# KiCad board BalloonMotherboardV4.1.kicad_pcb (continued)
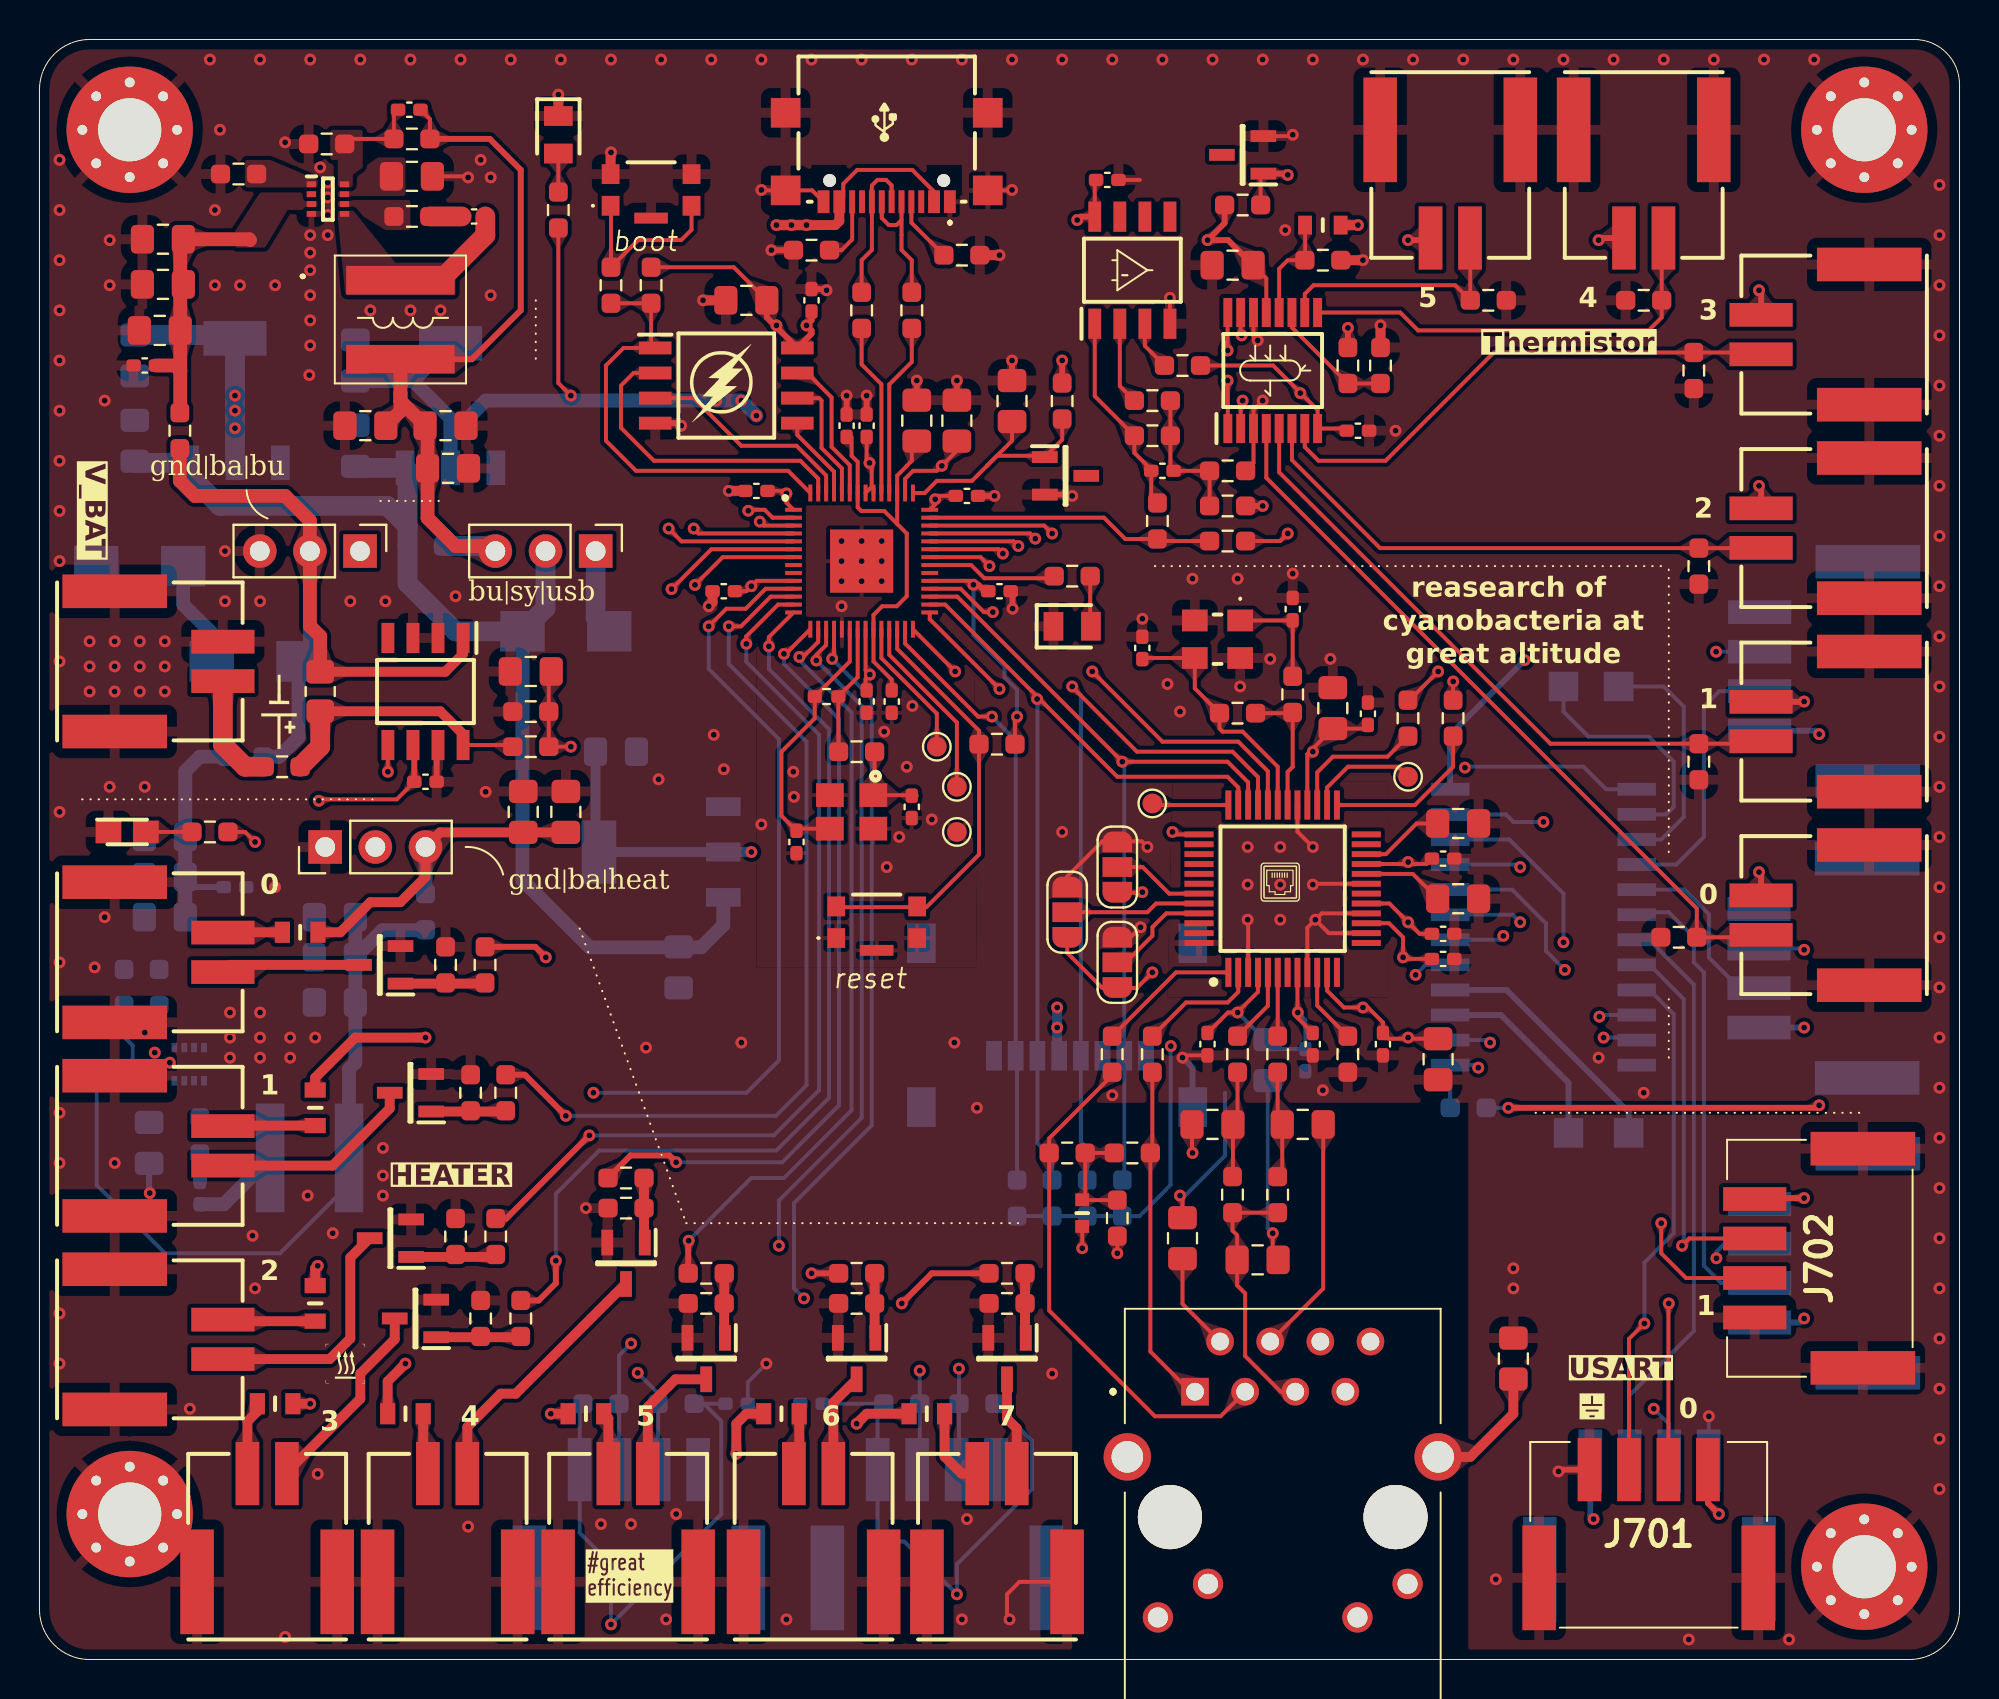
[diagram p0: board, top side]
## Routing (per net, layer and track width the routed paths; a pad name or vN(x,y) marks a point on that pad's centre or on a via; arc(x,y) is an arc through that point) (continued)
GND: length 95.6
  Top w0.2: C503.1 58.03,30.59 v1(57.91,30.48) ; v1(63.5,77.22) 63.43,77.15 Vref401.2 ; 38.38,73.83 USB_C301.MP2 ; USB_C301.MP2 36.6,74.4 v1(36.58,74.42) ; USB_C301.MP2 39.15,74.4 USB_C301.A12 ; LAN501.9 64.24,37.06 v1(64.64,37.47) ; HEAT_CON608.4 49.65,3.93 49.02,3.3 49.02,2.16 v1(49.15,2.03) ; C403.1 55.75,74.93 ; JH502.3 52.07,39.65 53.85,41.43 JH503.3 55.85,41.43 v1(56.13,41.15) ; v1(62.48,21.59) 62.48,20.51 C520.2 ; v1(55.79,37.08) 55.31,36.61 JH501.3 ; USB_C301.MP1 49.26,74.4 v1(49.28,74.42) ; v1(64.52,39.24) 64.56,39.29 LAN501.19 ; LAN501.16 64.96,37.79 v1(64.64,37.47) ; LAN501.14 65.32,36.79 v1(64.64,37.47) ; v1(64.52,41.15) 63.74,41.93 LAN501.29 ; v1(61.72,66.8) 61.51,67.02 MUX401.14 ; v1(57.28,68.96) 57.28,67.65 ; v1(57.79,23.5) 57.91,23.37 C514.1 ; C209.1 21.66,75.11 v1(21.72,75.06) ; R413.1 61.51,60.6 MUX401.3 61.51,63.29 v1(61.98,63.75) ; LAN501.3 61.24,37.44 v1(61.21,37.47)
  Top w0.3: C313.2 v1(40.89,64.01) ; v1(49.28,65.79) C308.2 ; C305.2 v1(41.91,64.01) ; C215.1 20.13,46.24 IC201.7 ; v1(49.3,53.22) 49.3,54.01 C310.2 ; v1(48.39,58.93) C311.2 ; Vref301.2 52.26,58.99 v1(52.32,58.93) ; C304.1 v1(44.45,64.77) ; v1(39.88,69.34) 39.82,69.4 C302.2 ; v1(32.51,62.48) 32.38,62.61 FLA301.4 ; R314.1 v1(37.08,71.37) ; C307.2 v1(46.48,64.77) ; J701.4 77.05,9.62 v1(76.96,9.53)
  Top w0.5: v1(33.62,68.83) C301.1 ; v1(26.29,79.25) 5sys201.1 ; 66.93,70.87 v1(67.06,70.87) R408.2 ; C306.2 34.1,53.53 v1(33.91,53.34) ; S_BOOT301.2 28.94,76.31 v1(28.96,76.33) ; C303.2 v1(34.92,59.18) ; R313.1 v1(48.64,71.12) ; v1(67.94,67.56) 67.94,66.57
  Bottom w0.2: J703.4 84.57,12.31 v1(84.58,12.32) ; v1(62.48,21.59) 62.23,21.84 62.23,28.81 61.98,29.06 C501.1 ; v1(36.83,14.99) 35.89,14.05 C312.2 ; v1(57.79,23.5) 58.04,23.5 60.07,25.53 60.07,28.7
  Bottom w0.3: SD501.MP2 58.42,27.99 58.42,29.97 v1(57.91,30.48) ; J706.4 88.16,53.04 ; C610.1 5.56,23.65 v1(5.59,23.62)
  vias: v1(1.02,75.95) v1(1.02,73.41) v1(1.02,70.87) v1(1.02,68.33) v1(1.02,65.79) v1(1.02,63.25) v1(1.02,60.71) v1(1.02,58.17) v1(1.02,55.63) v1(1.02,50.55) v1(1.02,42.93) v1(1.02,35.31) v1(1.02,27.69) v1(1.02,25.15) v1(1.02,17.53) v1(1.02,14.99) v1(2.54,51.56) v1(2.54,50.29) v1(2.54,49.02) v1(2.79,35.05) v1(3.3,63.75) v1(3.3,37.59) v1(3.56,71.88) v1(3.56,69.6) v1(3.56,44.2) v1(3.81,51.56) v1(3.81,50.29) v1(3.81,49.02) v1(3.81,25.15) v1(5.08,51.56) v1(5.08,50.29) v1(5.08,49.02) v1(5.33,44.2) v1(5.33,31.75) v1(5.84,30.73) v1(6.35,51.56) v1(6.35,50.29) v1(6.35,49.02) v1(6.6,30.23) v1(7.62,12.7) v1(8.64,81.03) v1(8.89,73.41) v1(8.89,69.6) v1(9.14,77.47) v1(9.4,56.13) v1(9.4,53.59) v1(9.65,32.77) v1(9.65,31.5) v1(9.65,30.48) v1(10.16,69.6) v1(10.8,21.46) v1(10.92,18.8) v1(11.18,81.03) v1(11.18,53.59) v1(11.18,32.77) v1(11.18,31.5) v1(11.18,30.48) v1(11.94,69.6) v1(11.94,39.12) v1(12.45,76.84) v1(12.45,1.14) v1(12.7,31.5) v1(12.7,30.48) v1(13.59,23.5) v1(13.72,81.03) v1(13.72,72.14) v1(13.72,71.25) v1(13.72,70.36) v1(13.72,69.09) v1(13.72,67.82) v1(13.72,66.55) v1(13.67,65.05) v1(13.97,31.5) v1(14.1,9.4) v1(14.22,75.56) v1(14.61,74.8) v1(14.61,74.04) v1(14.61,73.15) v1(14.61,72.14) v1(14.86,21.59) v1(15.75,53.59) v1(16.26,81.03) v1(16.76,68.33) v1(17.4,25.91) v1(17.4,24.51) v1(17.4,23.5) v1(17.53,53.59) v1(18.8,81.03) v1(18.8,68.33) v1(20.32,68.33) v1(21.08,53.85) v1(21.34,81.03) v1(21.72,6.73) v1(22.35,75.95) v1(22.61,43.94) v1(22.86,75.06) v1(22.86,69.09) v1(23.88,81.03) v1(26.42,81.03) v1(27.69,22.86) v1(28.45,6.86) v1(28.96,81.03) v1(29.97,6.86) v1(30.73,30.99) v1(31.37,44.58) v1(31.5,81.03) v1(31.75,2.03) v1(32.26,7.37) v1(34.04,81.03) v1(34.16,46.83) v1(34.67,45.09) v1(35.56,31.24) v1(36.58,81.03) v1(36.58,42.29) v1(37.85,2.03) v1(38.19,44.96) v1(38.23,43.69) v1(39.12,81.03) v1(40.64,56.64) v1(40.64,55.63) v1(40.64,54.61) v1(40.64,53.34) v1(41.66,81.03) v1(41.66,56.64) v1(41.66,55.63) v1(41.66,54.61) v1(42.67,56.64) v1(42.67,55.63) v1(42.67,54.61) v1(42.8,46.99) v1(42.93,40.13) v1(43.56,41.66) v1(43.94,45.21) v1(44.2,81.03) v1(44.23,48.29) v1(45.21,42.55) v1(46.35,31.24) v1(46.74,81.03) v1(46.74,2.03) v1(46.99,7.11) v1(47.5,27.94) v1(49.28,81.03) v1(51.31,14.48) v1(51.82,81.03) v1(51.82,41.91) v1(54.36,81.03) v1(54.36,28.58) v1(55.88,52.71) v1(56.9,81.03) v1(57.15,49.4) v1(57.79,48.01) v1(58.42,54.74) v1(59.44,81.03) v1(60.71,54.74) v1(60.83,49.28) v1(61.21,41.15) v1(61.21,39.24) v1(61.98,81.03) v1(62.36,50.67) v1(62.87,41.15) v1(62.87,39.24) v1(62.87,37.47) v1(63.12,72.39) v1(63.5,54.99) v1(64.52,81.03) v1(65.02,28.83) v1(65.41,50.67) v1(67.06,81.03) v1(68.71,62.23) v1(69.6,81.03) v1(72.14,81.03) v1(73.79,4.06) v1(74.68,81.03) v1(74.68,19.81) v1(74.68,18.8) v1(77.22,81.03) v1(78.99,30.48) v1(79.76,81.03) v1(81.28,28.7) v1(82.3,81.03) v1(83.57,1.02) v1(84.84,81.03) v1(87.38,81.03) v1(88.65,1.02) v1(89.92,81.03) v1(96.27,74.68) v1(96.27,72.14) v1(96.27,69.6) v1(96.27,67.06) v1(96.27,64.52) v1(96.27,61.98) v1(96.27,59.44) v1(96.27,56.9) v1(96.27,54.36) v1(96.27,51.82) v1(96.27,49.28) v1(96.27,46.74) v1(96.27,44.2) v1(96.27,41.66) v1(96.27,39.12) v1(96.27,36.58) v1(96.27,34.04) v1(96.27,31.5) v1(96.27,28.96) v1(96.27,26.42) v1(96.27,23.88) v1(96.27,21.34) v1(96.27,18.8) v1(96.27,16.26) v1(96.27,13.72) v1(96.27,11.18) v1(96.27,8.64)
Vbat: length 14.5
  Top w0.2: 21.46,46.75 IC201.8 23.9,46.31 R207.1
  Top w0.5: R_shunt201.2 20.3,48.02 21.46,46.86 IC201.8
  Top w1: inrushcurrentlimit201.1 14.22,46.23 R_shunt201.2
/A0: length 70
  Top w0.2: v1(60.2,64.77) 60.21,64.76 MUX401.1 ; v1(49.59,56.39) 49.36,56.63 uC301.38
  In1.Cu w0.2: v1(79.04,32.56) 78.99,32.6 78.99,44.96 67.94,56.01 49.98,56.01 v1(49.59,56.39) 49.59,57.05 57.32,64.77 v1(60.2,64.77)
  Bottom w0.2: U701.10 79.12,32.64 v1(79.04,32.56)
/A1: length 71.6
  Top w0.2: v1(60.2,66.29) 60.2,68.21 MUX401.16 ; uC301.37 48.59,56.23 v1(48.81,56.01)
  In1.Cu w0.2: v1(60.2,66.29) 57.66,66.29 48.81,57.45 v1(48.81,56.01) 48.81,55.54 50.25,54.1 67.9,54.1 77.89,44.12 77.89,32.86 v1(79.25,31.5)
  Bottom w0.2: 79.38,31.37 v1(79.25,31.5) 80.8,31.5 U701.11
/A2: length 70.2
  Top w0.2: uC301.36 47.68,55.83 v1(48.13,55.37) ; MUX401.15 60.86,67.11 v1(60.91,67.06)
  In1.Cu w0.2: 67.61,52.37 73.5,46.48 v1(73.5,31.24) ; 67.86,52.11 66.63,53.34 50.04,53.34 48.13,55.25 v1(48.13,55.37) 48.13,57.79 57.4,67.06 v1(60.91,67.06)
  Bottom w0.2: U701.14 73.37,31.37 v1(73.5,31.24)
/EthernetaSD/cs_lan: length 22.7
  Top w0.2: v1(46.39,50.04) uC301.28 ; v1(53.34,50.04) 56.9,46.48 60.74,46.48 62.24,44.99 LAN501.32
  In1.Cu w0.2: v1(46.39,50.04) v1(53.34,50.04)
/EthernetaSD/cs_sd: length 30.7
  Top w0.2: v1(48.26,47.75) 47.55,47.75 43.86,51.45 uC301.27
  Bottom w0.2: R504.1 49.53,30.51 SD501.2 49.46,46.55 v1(48.26,47.75)
/EthernetaSD/E0: length 5.4
  Top w0.2: LAN501.45 57.09,37.79 56.39,37.08 56.39,36.65 55.04,35.31 JH501.2
/EthernetaSD/E1: length 6.9
  Top w0.2: LAN501.44 56.57,38.29 56.13,37.85 JH502.2
/EthernetaSD/E2: length 4.7
  Top w0.2: JH503.2 55.89,40.13 57.24,38.79 LAN501.43
/EthernetaSD/F-: length 5.7
  Top w0.2: R509.2 R508.2 52.98,23.43 FB501.1 52.85,23.26 R510.2
/EthernetaSD/LED_LAN_A: length 7
  Top w0.2: R514.1 68.3,45.72 65.53,45.72 64.74,44.93 LAN501.27
/EthernetaSD/LED_LAN_B: length 8.2
  Top w0.2: LAN501.25 69.69,43.27 71.62,45.21 R511.1
/EthernetaSD/miso_lan: length 42.3
  Top w0.2: uC301.31 46.5,53.83 v1(54.86,45.47) 60.2,45.47 61.24,44.43 LAN501.34
  Bottom w0.2: 54.96,24.38 SD501.7 54.96,45.37 v1(54.86,45.47)
/EthernetaSD/mosi_lan: length 45.1
  Top w0.2: uC301.30 45.89,53.43 50.55,48.77 v1(50.55,48.64) 50.67,48.64 54.61,44.7 60.2,44.7 60.74,44.16 LAN501.35
  Bottom w0.2: R503.1 51.31,25.4 50.56,26.15 SD501.3 50.56,48.63 v1(50.55,48.64)
/EthernetaSD/RCT: length 13.1
  Top w0.2: R517.1 R518.1 60.45,21.72 60.68,21.49 C520.1 60.68,18.95 61.09,18.54 61.09,15.37 62.89,13.56 J501.5
/EthernetaSD/RXN: length 13.7
  Top w0.2: v1(58.42,25.65) 58.39,25.68 C517.1
  In1.Cu w0.2: v1(58.42,25.65) 58.42,22.58 J501.6
/EthernetaSD/RXP: length 12.1
  Top w0.2: C515.1 65.04,18.79 J501.4
/EthernetaSD/sck_lan: length 47.1
  Top w0.2: LAN501.33 61.74,44.69 60.45,45.97 55.6,45.97 52.32,49.25 v1(52.32,49.28) ; uC301.29 45.11,52.68 v1(48.64,49.15)
  In1.Cu w0.2: v1(52.32,49.28) 48.77,49.28 v1(48.64,49.15)
  Bottom w0.2: R502.1 53.09,25.91 52.76,26.23 SD501.5 52.76,48.84 v1(52.32,49.28)
/EthernetaSD/TCT: length 12.9
  Top w0.2: R510.1 v1(54.61,20.57) ; C514.2 57.91,18.01 J501.2
  In1.Cu w0.2: J501.2 59.08,16.1 v1(54.61,20.57)
/EthernetaSD/TXN: length 26.1
  Top w0.2: R513.1 54.35,29.59 51.16,26.39 R508.1 51.16,17.68 56.51,12.32 59.84,12.32 J501.3
/EthernetaSD/TXP: length 17.3
  Top w0.2: R507.1 56.38,25.75 R509.1 56.28,15.6 58.32,13.56 J501.1
/EthernetaSD/XI: length 6.7
  Top w0.2: R505.1 63.46,47.93 R506.2 63.5,45.22 63.5,45.21 63.24,44.95 LAN501.30
/EthernetaSD/Xo: length 12.5
  Top w0.2: C510.2 55.94,50.72 Y501.3 58.54,49.18 R505.2 59.79,47.14 59.94,46.99 60.96,46.99 62.74,45.21 LAN501.31
/Heater/FB: length 3.8
  Bottom w0.2: R602.1 4.72,31.09 4.29,31.53 4.29,33.23
/Heater/H0: length 49.8
  Top w0.2: v1(33.91,52.32) 34.8,53.21 35.78,53.21 36.79,54.23 uC301.11
  Top w0.3: v1(25.65,35.56) 25.12,36.09 R619.1
  In1.Cu w0.3: v1(25.65,35.56) 25.65,31.12 v1(28.07,28.7)
  Bottom w0.2: v1(28.07,28.7) 35.83,28.7 37.46,30.34 37.46,46.61 33.91,50.17 v1(33.91,52.32)
/Heater/H1: length 45.5
  Top w0.2: uC301.12 37.05,53.83 35.55,52.32 v1(34.92,52.32)
  Top w0.3: v1(26.67,27.53) 24.59,29.61 R608.1
  Bottom w0.2: v1(34.92,52.32) 34.92,50.42 38.86,46.48 38.86,29.08 37.31,27.53 v1(26.67,27.53)
/Heater/H2: length 46.6
  Top w0.2: v1(35.81,51.44) 35.81,51.82 37.42,53.43 uC301.13
  Top w0.3: v1(27.86,26.54) 23.65,22.33 R611.1
  Bottom w0.2: v1(35.81,51.44) 35.81,50.52 39.5,46.84 39.5,28.83 37.21,26.54 v1(27.86,26.54)
/Heater/H3: length 49
  Top w0.2: uC301.14 36.96,51.78 v1(36.96,51.31)
  Top w0.3: v1(26.16,20.19) 26.16,19.05 25.3,18.18 R613.1
  Bottom w0.2: 26.15,20.33 26.16,20.32 v1(26.16,20.19) 26.16,23.58 28.36,25.78 37.34,25.78 40.01,28.45 40.01,47.12 36.96,50.17 v1(36.96,51.31)
/Heater/H4: length 39.4
  Top w0.2: uC301.15 37.81,50.93 v1(37.72,50.93)
  Top w0.3: v1(32.26,25.18) 31.91,25.53 29.95,25.53 R609.1
  Bottom w0.2: v1(32.26,25.18) 37.63,25.18 40.51,28.07 40.51,47.63 37.72,50.42 v1(37.72,50.93)
/Heater/H5: length 38.6
  Top w0.2: uC301.16 39.46,51.54 38.69,50.77 v1(38.5,50.77)
  Top w0.3: v1(32.89,21.21) 32.87,21.19 R610.1
  Bottom w0.2: v1(38.5,50.77) 38.5,50.6 41.15,47.96 41.15,27.81 37.72,24.38 36.07,24.38 v1(32.89,21.21)
/Heater/H6: length 37.7
  Top w0.2: uC301.17 39.86,51.37 39.36,50.88 v1(39.36,50.59)
  Top w0.3: v1(39.12,19.56) R607.1
  In1.Cu w0.3: v1(37.46,20.95) 37.72,20.95 v1(39.12,19.56)
  Bottom w0.2: v1(39.36,50.59) 41.66,48.3 41.66,27.43 37.46,23.24 v1(37.46,20.95)
/Heater/H7: length 46.8
  Top w0.2: uC301.18 40.26,50.77 v1(40.16,50.67)
  Top w0.3: v1(43.69,18.03) 45.21,19.56 R620.1
  In1.Cu w0.3: v1(43.69,18.03) 38.86,18.03 38.74,18.16 v1(38.74,18.29)
  Bottom w0.2: v1(40.16,50.67) 42.16,48.67 42.16,27.05 38.23,23.11 38.23,18.8 v1(38.74,18.29)
/Heater/H_0_OUT: length 3
  Top w0.5: F607.2 9.31,36.83 HEAT_CON607.1
/Heater/H_1_OUT: length 4.7
  Top w0.5: HEAT_CON602.1 9.32,27.04 F602.2
/Heater/H_2_OUT: length 4.7
  Top w0.5: HEAT_CON605.1 9.37,17.13 F605.2
/Heater/H_3_OUT: length 10.1
  Top w0.5: Q606.3 18,16.22 16.26,14.48 16.26,13.21 12.54,9.49 HEAT_CON606.2
/Heater/H_4_OUT: length 3.1
  Top w0.5: HEAT_CON603.1 19.44,9.65 F603.1
/Heater/H_5_OUT: length 3.1
  Top w0.5: F604.2 28.82,12.21 HEAT_CON604.1
/Heater/H_6_OUT: length 3.1
  Top w0.5: HEAT_CON601.1 38.49,9.68 F601.2
/Heater/H_7_OUT: length 4.3
  Top w0.5: 45.97,12.56 F608.2 45.86,10.28 46.72,9.41 HEAT_CON608.1
/Heater/SW: length 4.5
  Bottom w0.7: C601.1 9.34,23.05 L601.1
/Heater/Vs_Heat: length 105.6
  Top w0.5: v1(19.56,31.5) 16,31.5 13.97,29.46 F602.1 ; F603.2 17.64,14.09 v1(18.54,14.99) ; C604.2 20.3,41.89 BuckJmp601.3 19.56,39.62 18.29,38.35 16.76,38.35 15.24,36.83 F607.1 ; v1(35.31,10.41) 35.31,11.94 35.81,12.45 F601.1 ; v1(14.1,19.94) 13.97,19.81 F605.1 ; F606.1 v1(13.72,12.95) ; v1(41.4,11.94) 41.91,12.45 F608.1 ; v1(25.91,12.45) F604.1
  In2.Cu w0.5: v1(25.91,12.45) 23.11,12.45 22.35,13.21 ; 19.56,17.53 14.99,12.95 v1(13.72,12.95) ; 19.56,21.08 19.05,20.57 14.73,20.57 v1(14.1,19.94) ; v1(18.54,14.99) 19.56,16
  In2.Cu w1: v1(41.4,11.94) 39.88,10.41 25.15,10.41 19.56,16 BuckJmp601.3
  Bottom w0.7: 19.56,38.76 BuckJmp601.3
/MUX_Enable: length 51.2
  Top w0.2: v1(48.3,53.04) 47.85,53.04 46.67,54.23 uC301.32
  In1.Cu w0.2: v1(72.9,29.97) 72.9,45.81 66.64,52.07 49.19,52.07 48.3,52.96 v1(48.3,53.04)
  Bottom w0.2: 71.47,27.94 71.22,27.69 ; R701.2 71.47,27.94 U701.13 72.77,30.1 v1(72.9,29.97)
/Power/ADC_curr: length 44.9
  Top w0.2: uC301.39 50.19,57.03 v1(50.45,56.76) ; v1(17.65,44.96) IC201.5
  In2.Cu w0.2: v1(17.65,44.96) 20.19,47.5 41.91,47.5 50.45,56.04 v1(50.45,56.76)
/Power/ADC_volt: length 42.1
  Top w0.2: C218.2 25.8,49.91 R208.1 R207.2 v1(26.92,46.23) ; uC301.40 50.9,57.43 v1(51.31,57.02)
  In2.Cu w0.2: v1(26.92,46.23) 43.77,46.23 44.54,47 44.54,47.08 51.31,53.85 v1(51.31,57.02)
/Power/FB: length 4.2
  Top w0.2: R204.2 15.72,77.01 R202.1 17.96,78.28 C208.2
/Power/SW: length 6.2
  Top w1: C201.1 22.59,72.13 20.31,69.85 L201.1
/Power/V_usb: length 40.9
  Top w0.2: 40.73,74.03 40.73,74.73 41.43,75.44 44.22,75.44 45.33,74.33 USB_C301.A4
  Top w0.3: 45.18,73.98 USB_C301.A4
  Top w0.5: USB_C301.A9 40.53,72.85 40.32,72.64 v1(38.86,72.64) v1(38.1,72.64) v1(37.34,72.64)
  In1.Cu w0.5: JB_or_U201.1 28.18,64.64 28.19,64.65 28.19,69.34 31.5,72.64 v1(38.86,72.64)
  Bottom w1: 28.18,56.39 28.18,52.76 D201.2
/Power/VBUCK: length 46
  Top w0.2: R202.2 19.78,78.01 19.18,78.61
  Top w0.3: L201.2 21.91,65.85 24.38,68.33 24.38,75.44 22.82,77.01 R202.2
  Top w0.7: 23.1,56.39 21.08,56.39 19.66,57.81 C212.2 19.66,62.36 18.29,63.73 18.29,64.14 ; 18.29,64.14 L201.2 ; 18.29,64.14 18.29,63.22 C211.2
  In1.Cu w0.7: 23.1,56.39 JB_or_U201.3 BuckJmp201.1
  Bottom w1: 23.1,56.39 JB_or_U201.3 22.84,56.39 J201.2
/Power/VSys: length 61.7
  Bottom w0.7: LRlan201.3 34.65,37.19 33.53,36.07 27.87,36.07 24.47,39.47 D201.1
  Bottom w1: 18.65,57.4 J201.1 18.65,54.51 21.08,52.07 D201.1 25.64,53.24 JB_or_U201.2 ; 18.65,57.4 17.63,58.42 9.14,58.42 7.61,59.96 LRre201.3 4.91,60.6 C216.2 5.1,60.68 ; 18.65,57.4 18.65,60.23 LRuC201.3 16.08,60.35 C202.2
/Prozessor/QSPI_SCLK: length 6.4
  Top w0.2: FLA301.6 39.5,63.88 39.62,63.75 39.62,61.35 40.66,60.32 uC301.52
/Prozessor/QSPI_SD0: length 4.3
  Top w0.2: FLA301.5 38.4,62.01 40.26,60.15 uC301.53
/Prozessor/QSPI_SD1: length 15.9
  Top w0.2: uC301.55 39.46,59.8 38.55,60.71 31.13,60.71 29.46,62.38 29.46,64.52 30.1,65.15 FLA301.2
/Prozessor/QSPI_SD2: length 11.2
  Top w0.2: FLA301.3 33.15,63.88 35.56,61.47 38.35,61.47 39.86,59.97 uC301.54
/Prozessor/QSPI_SD3: length 7.5
  Top w0.2: FLA301.7 38.9,65.15 40.13,63.92 40.13,61.41 41.06,60.49 uC301.51
/Prozessor/QSPI_SS: length 22.5
  Top w0.2: R304.1 R301.2 30.99,66.63 FLA301.1 29.59,66.42 28.7,65.53 28.7,61.72 30.23,60.2 37.93,60.2 uC301.56
/Prozessor/RUN: length 21.5
  Top w0.2: uC301.26 43.46,51.18 47.6,47.04 47.6,40.76 44.94,38.1 40.37,38.1
/Prozessor/scl1: length 57.2
  Top w0.2: uC301.5 32.53,56.63 v1(31.88,57.28)
  In1.Cu w0.2: v1(30.31,14.52) 29.59,14.52 28.85,15.26 28.85,54.25 v1(31.88,57.28)
  Bottom w0.2: 31.37,12.82 31.23,12.95 ; GPIO301.3 31.35,9.64 R307.1 31.35,13.48 v1(30.31,14.52)
/Prozessor/scl2: length 56
  Top w0.2: uC301.7 34.62,55.83 v1(33.21,54.42)
  In1.Cu w0.2: v1(46.59,14.73) 46.59,24.66 33.21,38.04 v1(33.21,54.42)
  Bottom w0.2: v1(46.59,14.73) 46.59,9.73 GPIO302.3
/Prozessor/sda1: length 54.6
  Top w0.2: v1(33.15,57.28) 33.4,57.03 uC301.4
  In1.Cu w0.2: v1(33.15,57.28) 29.97,54.1 v1(29.97,16)
  Bottom w0.2: GPIO301.2 29.37,15.4 v1(29.97,16) ; 29.37,12.83 29.25,12.95
/Prozessor/sda2: length 56.9
  Top w0.2: uC301.6 34.04,56.23 v1(32.02,54.21)
  In1.Cu w0.2: v1(44.6,14.63) 44.6,23.73 32.02,36.3 v1(32.02,54.21)
  Bottom w0.2: v1(44.6,14.63) 44.6,9.75 GPIO302.2
/Prozessor/SWCLK: length 7.1
  Top w0.2: uC301.24 42.66,50.71 45.47,47.9 TP301.1
/Prozessor/SWD: length 9.4
  Top w0.2: uC301.25 43.06,50.88 46.48,47.45 TP302.1
/Prozessor/USB_D+: length 7.7
  Top w0.2: R302.1 41.66,70.87 42.18,71.39 USB_C301.B6 42.18,74.65 42.46,74.93 42.9,74.93 43.18,74.65 USB_C301.A6
/Prozessor/USB_D-: length 6.9
  Top w0.2: USB_C301.A7 42.68,73 43.03,72.64 43.42,72.64 43.68,72.9 ; R303.1 44.2,70.87 43.68,71.39 USB_C301.B7
/Prozessor/vol_Temp: length 14.7
  Top w0.2: uC301.41 53.93,57.83 55.01,56.75 J7.1 56.75,56.64 J401.1
/Prozessor/XIN: length 13.6
  Top w0.2: uC301.20 41.06,50.54 R311.1 39.28,47.66 37.59,45.97 37.59,42.73 C316.1 ; 38.38,42.08 Y301.3
/Prozessor/XOUT: length 6.6
  Top w0.2: uC301.21 41.46,49.75 R311.2 40.48,45.99 R312.2
/Prozessor/~{USB_BOOT}: length 9.2
  Top w0.2: S_BOOT301.1 28.96,73.6 R304.2 30.33,71.88 32.51,71.88 33.04,72.41 S_BOOT301.4
/RX: length 52.7
  Top w0.2: uC301.3 36.69,57.43 v1(36.49,57.63)
  In1.Cu w0.2: v1(36.49,57.63) 36.49,56.22 41.4,51.31 66.13,51.31 72.22,45.22 v1(72.22,45.17)
  Bottom w0.2: U701.1 79.38,44.07 78.23,45.22 72.27,45.22 v1(72.22,45.17)
/Sensors/NTC0: length 38.1
  Top w0.2: MUX401.4 62.16,59.85 83.97,38.04 R402.1 87.11,36.58 NTC401.1
/Sensors/NTC1: length 32.4
  Top w0.2: MUX401.5 62.81,60.13 76.56,46.38 R403.1 87.11,46.38 NTC404.1
/Sensors/NTC2: length 27.2
  Top w0.2: MUX401.6 63.46,60.75 67.92,56.28 R404.1 87.21,56.28 NTC402.1
/Sensors/NTC3: length 26.7
  Top w0.2: NTC405.1 87.14,66.19 R405.1 73.68,66.19 68.2,60.71 64.81,60.71 64.11,61.4 MUX401.7
/Sensors/NTC4: length 22.1
  Top w0.2: MUX401.9 68.94,68.22 69.85,67.31 81.53,67.31 82.19,67.97 R406.1 82.19,71.9 NTC403.1
/Sensors/NTC5: length 13
  Top w0.2: MUX401.10 64.11,69.15 64.55,69.6 71.73,69.6 R407.1 72.49,71.97 NTC406.1
/Sensors/NTC6: length 5.5
  Top w0.2: MUX401.12 62.81,70.43 63.25,70.87 R408.1 64.12,70.88 RT401.1
/Sensors/NTC7: length 6.5
  Top w0.2: MUX401.11 63.46,67.45 R401.1 68.03,64.62
/Sensors/ntc -: length 19.1
  Top w0.2: J401.2 62.87,56.64 v1(63.25,57.02) ; C404.2 66.12,62.34 MUX401.8 64.76,63.28 63.9,64.14 v1(63.88,64.14) 63.88,64.16 62.5,65.53 J6.2
  In1.Cu w0.2: 63.31,57.09 v1(63.25,57.02)
  In2.Cu w0.2: v1(63.25,57.02) 63.88,57.66 v1(63.88,64.14)
/Sensors/ntc+: length 99.3
  Top w0.2: Vref401.1 61.87,75.11 R412.2
  Top w0.3: NTC402.2 87.23,59.33 v1(87.12,59.44) ; NTC404.2 89.39,48.5 v1(89.41,48.51) ; NTC403.2 79.1,71.99 v1(78.99,71.88) ; Vref401.1 63.18,75.25 v1(63.25,75.18) ; v1(87.12,39.88) 87.23,39.77 NTC401.2 ; NTC405.2 87.23,69.24 v1(87.12,69.34) ; NTC406.2 70.37,71.88 v1(69.34,71.88) ; v1(61.98,58.42) R410.1 ; v1(66.29,67.44) R401.2
  Top w0.5: RT401.2 v1(66.8,72.64)
  In1.Cu w0.3: 86.36,70.1 v1(87.12,69.34) ; 86.36,70.1 86.36,60.2 86.61,59.94 ; 86.36,70.1 83.82,72.64 78.23,72.64 ; v1(66.29,67.44) 66.17,67.44 65.79,67.82 ; v1(66.8,72.64) 65.79,72.64 ; 65.79,72.64 v1(63.25,75.18) 66.04,75.18 68.58,72.64 ; 65.79,72.64 65.79,67.82 ; 65.79,67.82 65.79,62.23 v1(61.98,58.42) ; 78.23,72.64 v1(78.99,71.88) ; 78.23,72.64 68.58,72.64 ; v1(87.12,39.88) 86.61,40.39 86.61,51.31 v1(89.41,48.51) ; 68.58,72.64 v1(69.34,71.88) ; 86.61,59.94 86.61,50.8 ; 86.61,59.94 v1(87.12,59.44)
/Sensors/op-: length 7.2
  Top w0.2: R410.2 R413.2 C402.2 57.3,60.36 R411.2 J5.1
/TX: length 54.6
  Top w0.2: uC301.2 37.14,57.83 36.74,58.23 35.96,58.23 v1(35.91,58.18)
  In1.Cu w0.2: v1(69.72,34.67) 69.94,34.89 69.94,43.09 66.04,46.99 47.37,46.99 43.82,50.55 41.15,50.55 35.89,55.8 35.89,58.16 v1(35.91,58.18)
  Bottom w0.2: v1(69.72,34.67) 70.23,35.18 U701.17
/USART_SPLITTER/RX0: length 26.4
  Top w0.2: J701.3 80.53,16.24 v1(81.31,17.02)
  Bottom w0.2: U701.9 81.57,33.91 82.8,32.68 82.8,21.59 81.31,20.1 v1(81.31,17.02)
/USART_SPLITTER/RX1: length 19.4
  Top w0.2: 87.14,21.08 J702.2 ; 86.5,21.32 83.59,21.32 v1(83.22,20.95)
  Bottom w0.2: v1(83.22,20.95) 83.31,21.05 83.31,33.44 81.57,35.18 U701.8
/USART_SPLITTER/RX2: length 29.3
  Bottom w0.2: U701.7 81.56,36.45 83.82,34.18 83.82,16.64 80.57,13.39 J703.2
/USART_SPLITTER/RX3: length 23.5
  Bottom w0.2: J704.2 85.2,19.07 84.33,19.94 84.33,34.8 83.82,35.31 83.82,36.58 82.55,37.85 81.7,37.85 81.57,37.72 U701.6
/USART_SPLITTER/RX4: length 9.5
  Bottom w0.2: U701.5 83.34,38.99 84.58,37.74 84.58,35.55 86.13,34 J705.2
/USART_SPLITTER/RX5: length 13.7
  Bottom w0.2: U701.4 82.93,40.26 84.33,41.66 84.33,48.26 85.11,49.04 J706.2
/USART_SPLITTER/RX6: length 12.2
  Bottom w0.2: U701.3 82.17,41.53 83.31,42.67 83.31,48.26 82.3,49.28 TP701.1
/USART_SPLITTER/RX7: length 12.2
  Bottom w0.2: TP703.1 77.22,48.01 78.49,46.74 81.53,46.74 82.8,45.47 82.8,43.18 82.42,42.8 U701.2
/USART_SPLITTER/TX0: length 40.4
  Top w0.2: v1(82.55,18.03) 82.53,18.02 J701.2
  In1.Cu w0.2: v1(76.2,42.42) 76.45,42.16 76.45,24 82.42,18.03 v1(82.55,18.03)
  Bottom w0.2: v1(76.2,42.42) 74.68,42.42 74.29,42.8 U701.23
/USART_SPLITTER/TX1: length 33.1
  Top w0.2: v1(82.17,22.1) 82.17,20.57 83.42,19.32 J702.3 87.65,19.32
  In2.Cu w0.2: v1(77.22,36.32) 80.52,33.02 80.52,23.75 v1(82.17,22.1)
  Bottom w0.2: U701.22 74.47,41.53 77.22,38.79 v1(77.22,36.32)
/USART_SPLITTER/TX2: length 36.8
  In1.Cu w0.2: v1(75.02,40.13) 75.95,39.21 75.95,18.54 v1(81.79,12.7)
  Bottom w0.2: U701.21 74.9,40.26 v1(75.02,40.13) ; v1(81.79,12.7) 82.57,11.92 J703.3
/USART_SPLITTER/TX3: length 30.5
  In2.Cu w0.2: v1(84.96,20.32) 84.84,20.19 82.3,20.19 77.29,25.2 v1(77.29,34.93)
  Bottom w0.2: J704.3 85.39,21.07 84.96,20.64 v1(84.96,20.32) ; v1(77.29,34.93) 76.33,35.88 76.33,37.28 74.62,38.99 U701.20
/USART_SPLITTER/TX4: length 21
  In2.Cu w0.2: v1(75.02,37.34) 81.63,37.34 83.02,35.94 v1(89.41,35.94)
  Bottom w0.2: J705.3 89.34,36 v1(89.41,35.94) ; v1(75.02,37.34) 74.64,37.72 U701.19
/USART_SPLITTER/TX5: length 24.8
  In2.Cu w0.2: v1(74.17,36.65) 74.17,41.91 83.3,51.04 v1(84.95,51.04)
  Bottom w0.2: v1(84.95,51.04) J706.3 ; v1(74.17,36.65) 73.97,36.45 U701.18
/USART_SPLITTER/TX6: length 12.7
  Bottom w0.3: TP702.1 80.52,27.72 74.33,33.91 U701.16
/USART_SPLITTER/TX7: length 10
  Bottom w0.3: U701.15 74.04,32.64 77.47,29.21 TP704.1
Net-(5sys0-A): length 2.6
  Top w0.2: 5sys0.2 53.24,52.36 R0.1
Net-(5sys201-A): length 2.1
  Top w0.2: 26.42,74.32 26.29,74.45 26.29,76.14 26.42,76.27
Net-(bat201-A): length 2.3
  Top w0.2: R205.1 5.46,41.91
Net-(BUCK201-VIN): length 13.6
  Top w0.7: 10.67,71.88 10.62,71.93 C206.2 7.13,71.77 C204.2 7.13,65.28 ; C207.2 6.88,65.53 7.13,65.28 ; 7.13,65.28 7.13,63.16 R209.1
Net-(C201-Pad2): length 1.6
  Top w1: R201.2 21.39,73.08
Net-(C317-Pad1): length 4.4
  Top w0.2: R312.1 42.31,43.84 Y301.1 44.42,43.78 44.45,43.75
Net-(C402-Pad1): length 10.4
  Top w0.2: OP401.1 53.47,63.98 R411.1 55.48,61.11 56.33,60.26 C402.1 56.33,58.99 56.39,58.93 56.39,58.82 J7.2
Net-(C515-Pad2): length 5.5
  Top w0.2: R515.1 62.73,27.33 C515.2 62.97,24.69 R517.2
Net-(C516-Pad2): length 29.8
  Top w0.5: C516.2 74.68,12.45 72.49,10.26 J501.14 70.87,9.93
  In2.Cu w0.2: J501.13 J501.14 70.87,12.67 J501.8
Net-(C517-Pad2): length 5.4
  Top w0.2: R516.1 60.7,27.33 C517.2 60.47,24.48 R518.2
Net-(C601-Pad2): length 1.4
  Bottom w0.7: C601.2 8.13,25.61
Net-(C611-Pad2): length 39
  Bottom w0.2: L601.2 15.68,24.07 12.19,20.57 6.35,20.57 2.9,24.03 R602.2
  Bottom w0.7: 19.56,36.93 17.38,36.93 C612.2 ; C613.2 C611.2 16,30.23 15.68,29.91 L601.2
Net-(D202-A): length 5.4
  Bottom w0.7: D203.1 7.28,53.43 8.72,51.98 D202.2
Net-(HEAT_CON601-Pin_2): length 5.3
  Top w0.5: HEAT_CON601.2 40.22,13.01 Q601.3
Net-(HEAT_CON602-Pin_2): length 10.4
  Top w0.5: HEAT_CON602.2 14.85,25.01 17.75,27.91 Q602.3
Net-(HEAT_CON603-Pin_2): length 13.4
  Top w0.5: HEAT_CON603.2 21.68,11.77 23.37,13.46 24.13,13.46 29.68,19.02 Q603.3
Net-(HEAT_CON604-Pin_2): length 6.9
  Top w0.5: Q604.3 32.22,14.19 30.82,12.79 HEAT_CON604.2
Net-(HEAT_CON605-Pin_2): length 12.4
  Top w0.5: HEAT_CON605.2 14.71,15.21 15.75,16.26 15.75,20.35 Q605.3
Net-(HEAT_CON606-Pin_1): length 3.7
  Top w0.5: HEAT_CON606.1 10.54,12.06 11.04,12.56 F606.2
Net-(HEAT_CON607-Pin_2): length 7.5
  Top w0.5: Q607.3 9.66,35.18 HEAT_CON607.2 ; 9.66,35.17 9.37,34.88
Net-(HEAT_CON608-Pin_2): length 5
  Top w0.5: Q608.3 49.02,12.19 49.51,11.7 HEAT_CON608.2
Net-(J501-Pad9): length 68.5
  Top w0.2: R514.2 69.41,48.58 v1(70.87,50.04)
  In2.Cu w0.2: v1(70.87,50.04) 70.96,50.13 71.92,50.13 72.23,49.82 72.23,49.28 71.52,48.57 71.52,15.8 72.77,14.56 72.77,3.68 69.85,0.76 58.04,0.76 J501.9
Net-(J501-Pad11): length 53.7
  Top w0.2: v1(71.63,49.53) 71.62,49.53 R511.2
  In2.Cu w0.2: J501.11 70.65,2.13 72.37,3.84 72.37,14.39 71.12,15.64 71.12,49.02 v1(71.63,49.53)
Net-(LAN501-1V2O): length 4.3
  Top w0.2: LAN501.22 68.22,40.79 69.77,42.34 C518.2
Net-(LAN501-DUPLED): length 5.6
  Top w0.2: LAN501.26 65.24,44.16 66.29,45.21 68.83,45.21 TP502.1
Net-(LAN501-EXRES1): length 3.9
  Top w0.2: LAN501.10 64.74,33.12 R512.2
Net-(LAN501-INTN): length 3.9
  Top w0.2: LAN501.36 56.46,43.27 TP501.1
Net-(LAN501-RXN): length 3.9
  Top w0.2: R516.2 62.24,33.1 LAN501.5
Net-(LAN501-RXP): length 3.2
  Top w0.2: R515.2 62.74,31.57 LAN501.6
Net-(LAN501-TOCAP): length 4.1
  Top w0.2: LAN501.20 69.58,39.79 C519.2
Net-(LAN501-TXN): length 7.2
  Top w0.2: LAN501.1 57.58,34.8 R513.2
Net-(LAN501-TXP): length 6.3
  Top w0.2: LAN501.2 60.74,33.81 60.2,33.27 58.09,33.27 R507.2
Net-(OP401A-+): length 2.5
  Top w0.2: J6.1 56.01,66.52 OP401.3
Net-(OP401A--): length 4.2
  Top w0.2: J5.2 54.74,64.49 OP401.2
Net-(Q601-G): length 3.3
  Top w0.5: Q601.1 42.31,16.33 R607.2
Net-(Q602-G): length 3.8
  Top w0.5: R608.2 23.58,27.75 Q602.1
Net-(Q603-G): length 3.3
  Top w0.5: Q603.1 30.63,21.15 R609.2
Net-(Q604-G): length 3.3
  Top w0.5: Q604.1 34.69,16.33 R610.2
Net-(Q605-G): length 4.3
  Top w0.5: R611.2 22.99,20.39 Q605.1
Net-(Q606-G): length 4.3
  Top w0.5: R613.2 24.35,16.32 Q606.1
Net-(Q607-G): length 4.3
  Top w0.5: R619.2 22.54,34.23 Q607.1
Net-(Q608-G): length 3.3
  Top w0.5: R620.2 49.93,16.33 Q608.1
Net-(uC301-GPIO23): length 6.6
  Top w0.2: uC301.35 47.2,55.43 47.87,54.76 51.31,54.76 R0.2
Net-(uC301-USB_DM): length 8.8
  Top w0.2: uC301.46 43.06,64.57 44.2,65.71 R303.2
Net-(uC301-USB_DP): length 8.8
  Top w0.2: R302.2 41.66,65.58 42.66,64.58 uC301.47
Net-(USB_C301-CC1): length 3.4
  Top w0.2: USB_C301.A5 44.18,72.77 R313.2
Net-(USB_C301-CC2): length 3.3
  Top w0.2: USB_C301.B5 41.18,71.91 40.64,71.37 R314.2
Net-(V_BAT201-Pin_2): length 5.8
  Top w1: V_BAT201.2 9.29,46.33 10.41,45.21 11.38,45.21
Net-(Vref301-K): length 12.5
  Top w0.2: 48.01,60.45 48.51,60.96 50.87,60.96 Vref301.1 51.82,61.77 R305.2 ; 48.01,60.45 49.28,61.72 C308.1 ; 48.01,60.45 47.24,59.69 45.47,59.69 44.85,59.08 uC301.43
Net-(Y501-IN/OUT): length 5.5
  Top w0.2: Y501.1 63.19,52.62 63.2,52.63 C511.2 R506.1

## Copper pours and planes (outline as drawn; the poured copper is in the pictures)
/3V3lan on In1.Cu: 49.53,40.89 63.5,46.36 69.85,46.23 69.85,29.97 49.53,30.23
/Heater/VIN on Bottom: 6.86,42.42 7.22,30.52 8.1,30.52 8.1,32.04 8.38,37.34 7.87,42.42
/Power/3V3_uC on In2.Cu: 40.13,68.2 35.31,68.2 33.4,63.75 34.67,58.8 35.56,53.85 41.17,49.28 43.43,49.28 48.51,54.36 48.51,62.61
GND on Top: 47.24,61.47 36.32,61.47 36.32,35.05 47.5,35.05
GND on Top: 68.33,44.45 57.4,44.45 57.15,33.53 68.33,33.53
GND on Top, Bottom, In2.Cu: -2.54,-3.05 98.55,-2.54 98.55,86.36 -2.54,85.85
/Heater/BST on Bottom: 8.1,29.5 8.1,28.74 9.14,27.94 9.12,25.82 7.6,25.82 7.6,29.5
/Heater/FB on Bottom: 7.09,29.5 5.84,29.72 5.56,30.13 4.04,30.13 4.04,28.96 7.09,28.96
/Heater/RT on Bottom: 6.58,30.52 5.56,32.93 5.56,33.69 7.11,33.69 7.11,30.52
/Heater/SS on Bottom: 7.09,29.5 7.09,28.74 6.33,28.74 4.68,27.72 4.68,26.58 7.6,26.58 7.6,29.5
/Heater/SW on Bottom: 8.1,29.5 8.49,29.5 12.42,29.12 12.42,23.53 10.77,23.53 10.77,26.58 8.1,28.74
/Power/BST on Top: 15.11,73.41 15.88,73.41 17.53,72.39 18.8,72.39 18.8,73.91 15.11,73.91
/Power/FB on Top: 15.11,74.42 15.11,75.95 14.73,75.95 14.73,77.47 16.38,77.47 16.38,75.56 15.88,75.18 15.88,74.42
/Power/RT on Top: 14.1,74.93 11.68,75.95 10.41,75.95 10.41,74.55 14.1,74.55
/Power/SS on Top: 15.11,74.42 15.88,74.42 15.88,75.18 17.15,76.07 18.54,76.07 18.54,73.91 15.11,73.91
/Power/SW on Top: 15.11,73.41 15.11,73.03 15.49,69.09 21.08,69.09 21.08,70.74 18.03,70.74 15.88,73.41
Net-(BUCK201-VIN) on Top: 9.91,72.33 11.18,74.3 14.1,74.3 14.1,73.41 12.57,73.41 11.43,71.5 9.91,71.5

Small or netless copper shapes (teardrops, artwork), in the pictures only: 493 on Top, 150 on Bottom, 78 on In1.Cu, 35 on In2.Cu

## Text on the board
B.Mask: gnd rx tx vcc
B.Silkscreen: Fancy Flash. / Bigger than usual | ⏚ | GPIOs | USART | 2 | 3 | 4 | 5
F.Mask: gnd rx tx    vcc
F.Silkscreen: #great / efficiency | ⏚ | 🔥 | boot | reset | 0 | 1 | 2 | 3 | 4 | 5 | 6 | 7 | reasearch of / cyanobacteria at / great altitude | HEATER | Thermistor | USART | V_BAT | gnd|ba|bu | bu|sy|usb | gnd|ba|heat
